# Altium PCB PCB-MB202-00.PcbDoc (part 6 of 7)
Units mm, origin at the board's own origin, x right, y up, seen from the top; angles counter-clockwise.
Board outline 300.6 x 146 mm, 2 copper layers (Top Layer, Bottom Layer); 493 components, 371 nets, 1609 pads, 6249 vias.
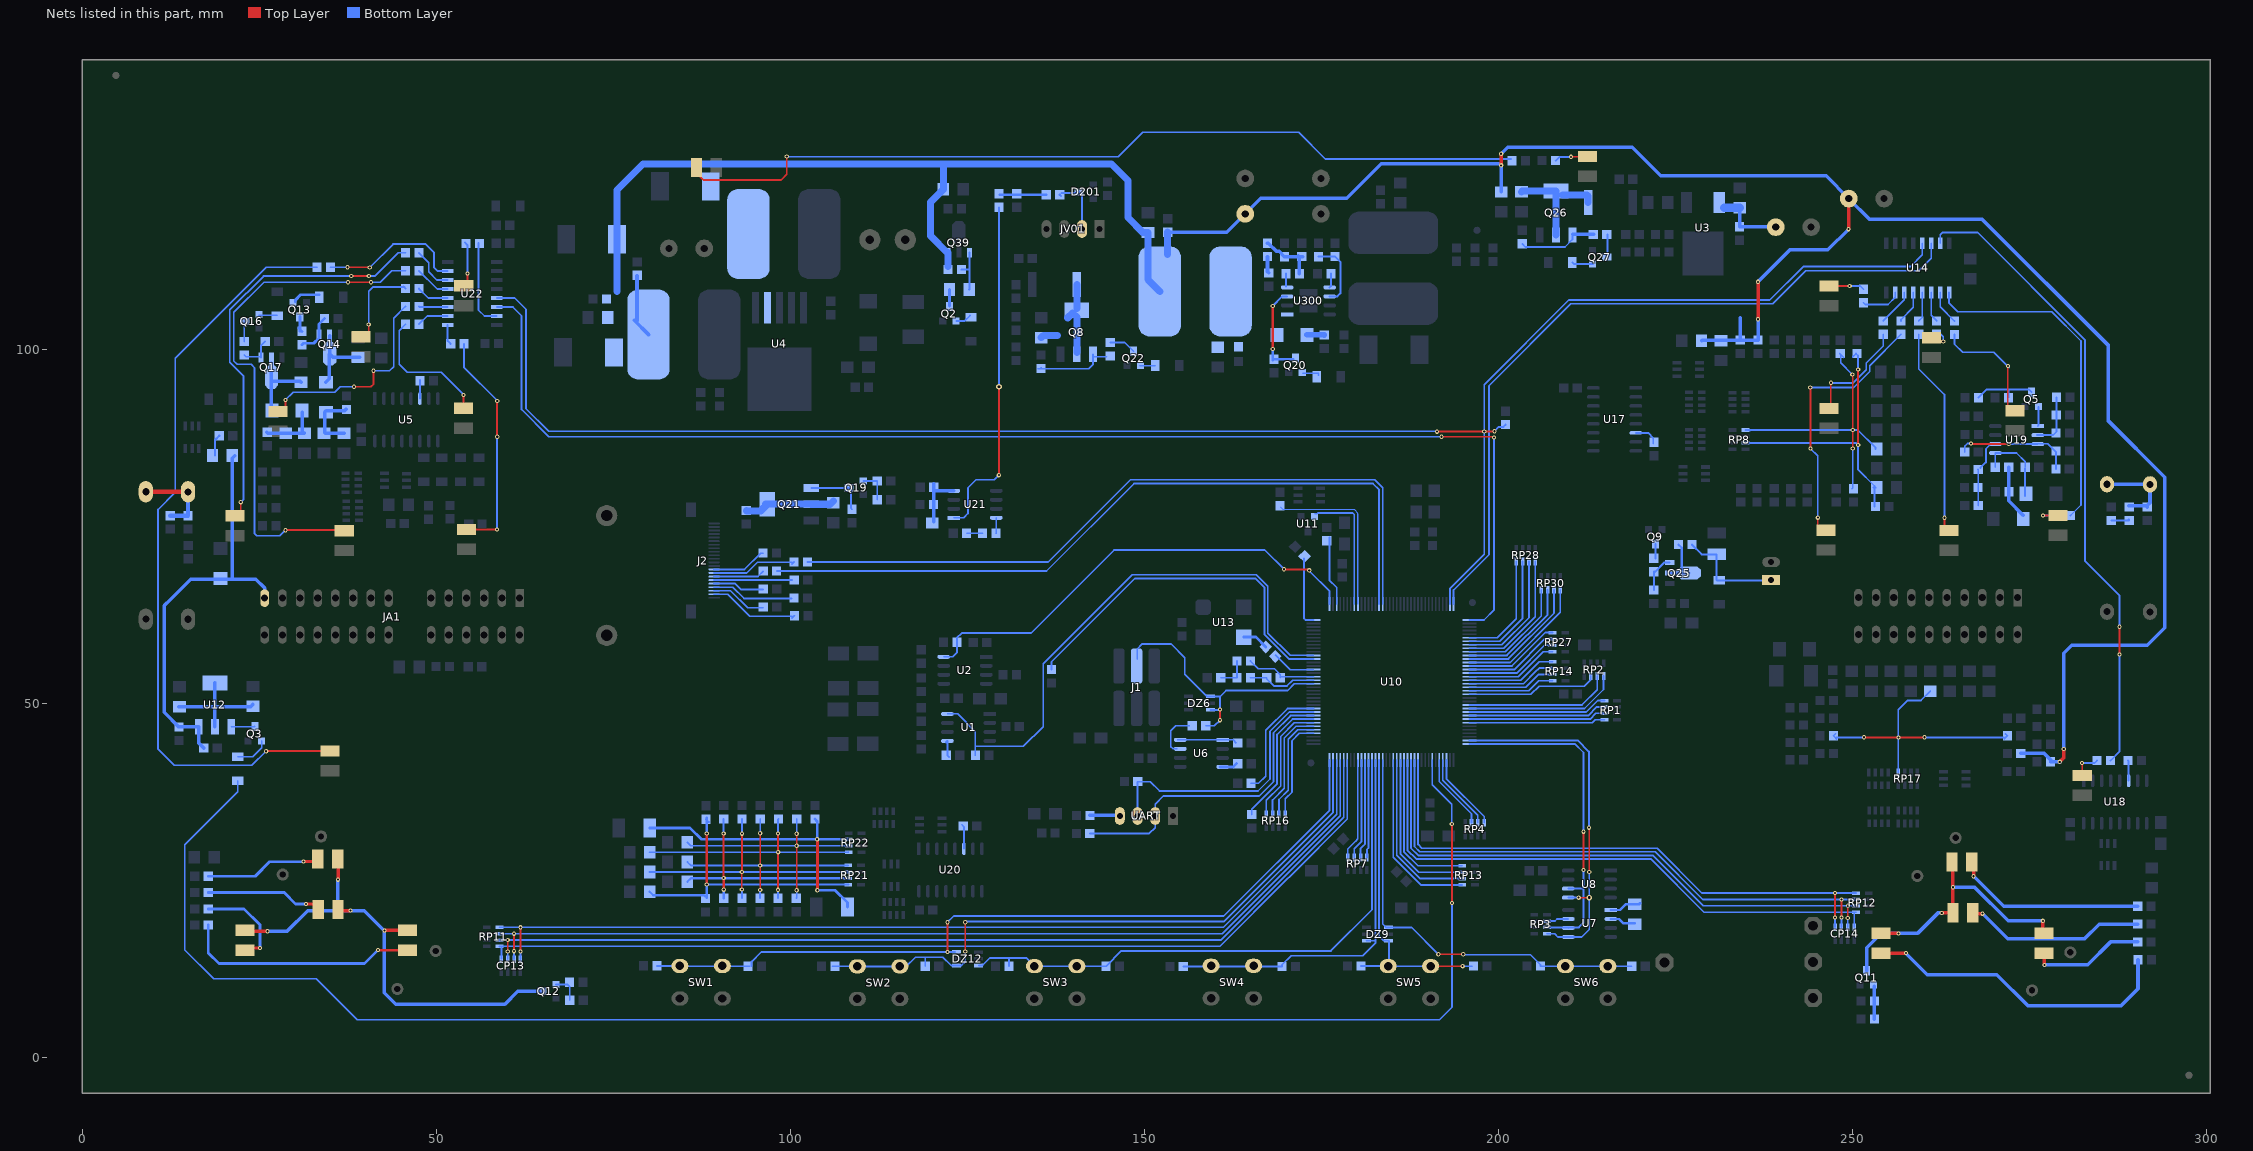
[diagram p6: the nets of this part, all layers, seen from the top]

## Via types
v1: diameter 0.6, hole 0.3, Top Layer to Bottom Layer, 5795 vias
v2: diameter 0.8, hole 0.4, Top Layer to Bottom Layer, 342 vias
v3: diameter 0.6, hole 0.4, Top Layer to Bottom Layer, 92 vias
v4: diameter 0.6, hole 0.3, Top Layer to Bottom Layer, tented both sides, 20 vias

## Nets (pads, with @x,y where several pads share a name; then routed paths per layer and width w, separated by ;. In a path a pad name is that pad's centre, name@x,y a point inside that pad or via, vN(x,y) a via of type N, cw(c..) or ccw(c..) an arc to the next point about the centre after c; other vN are vias at no path point) (continued)
NetC47_1: C47.1 R126.1 R207.2 RP17.1 | length 40.2
  Top Layer w0.25: v1@251.651,45.263 v1(256.528,45.263) v1@260.211,45.263
  Bottom Layer w0.25: C47.1@247.638,45.771 C47.1@247.358,45.491 247.739,45.11 247.714,45.085 C47.1@247.79,45.009 ; C47.1@247.79,45.263 v1@251.651,45.263 ; RP17.1@256.503,40.308 256.503,49.15 257.84,50.487 259.711,50.487 R207.2@261.023,51.8 ; v1@260.236,45.263 R126.1@271.463,45.263 ; R126.1@271.463,45.034 R126.1@271.92,45.491 R126.1@271.666,45.745
  other v1: 251.651,45.288 260.211,45.288
NetC48_1: C48.1 R54.1 U10.56 | length 10
  Bottom Layer w0.25: R54.1@165.007,56.053 166.117,54.943 168.407,54.943 169.217,54.133 C48.1@169.217,53.693 ; C48.1@169.367,53.843 U10.56@173.937,53.843
NetC48_2: C48.2 C52.1 U10.55 | length 9.8
  Bottom Layer w0.25: C52.1@165.017,53.693 C48.2@167.317,53.693 167.317,53.51 168.298,52.529 170.183,52.529 170.997,53.343 U10.55@173.937,53.343
NetC49_2: C49.2 U300.5 | length 2
  Bottom Layer w0.3: U300.5@176.2,108.817 176.381,108.998 C49.2@176.381,110.754
NetC51_1: C51.1 R194.2 R195.1 R196.1 | length 8.2
  Bottom Layer w0.5: R196.1@167.424,115.062 167.532,115.062 168.687,113.907 169.062,113.907 C51.1@169.812,113.157 ; C51.1@170.027,113.157 R194.2@172.403,113.157 ; R194.2@171.775,113.294 171.931,113.138 R195.1@171.931,110.754
NetC52_2: C52.2 C98.1 R54.2 | length 4.7
  Bottom Layer w0.25: C98.1@160.817,53.693 C52.2@163.117,53.693 163.107,53.703 R54.2@163.107,56.053
NetC58_1: C58.1 R63.2 R168.1 RP21.8 | length 34.1
  Top Layer w0.25: v1(95.767,23.695) v1(95.767,27.174) v1(95.767,31.721)
  Bottom Layer w0.25: R63.2@85.49,27.661 85.973,27.178 RP21.8@108.22,27.178 ; R168.1@95.743,22.536 95.746,22.539 95.746,23.673 v1(95.767,23.695) ; v1(95.767,31.721) C58.1@95.767,33.731
NetC59_1: C59.1 R61.2 R72.1 RP21.7 | length 41.8
  Top Layer w0.25: v1@93.18,23.8 v1(93.18,26.27) 93.19,26.279 v1(93.19,31.664)
  Bottom Layer w0.25: R61.2@80.156,26.264 105.677,26.264 ; v1(93.185,23.774) R72.1@93.185,22.536 v1@93.185,23.922 ; v1(93.19,31.664) C59.1@93.19,33.731 ; 106.871,26.264 105.677,26.264 ; RP21.7@108.22,26.278 108.206,26.264 105.677,26.264
NetC60_1: C60.1 R60.2 R77.1 RP21.6 | length 34.1
  Top Layer w0.3: v1(90.615,31.674) v1(90.615,25.4) 90.627,25.388 v1(90.627,23.761)
  Bottom Layer w0.3: R60.2@85.49,24.867 86.001,25.378 RP21.6@108.22,25.378 ; C60.1@90.612,33.731 90.612,31.676 v1(90.615,31.674) ; R77.1@90.627,22.536 v1(90.627,23.761)
NetC61_1: C61.1 R59.2 R82.1 RP21.5 | length 40
  Top Layer w0.3: v1(88.227,24.478) v1(88.227,31.674)
  Bottom Layer w0.3: R59.2@80.156,23.47 80.664,22.962 87.846,22.962 R82.1@88.024,22.784 ; C61.1@88.126,33.706 C61.1@88.532,33.299 ; R82.1@88.227,22.581 v1(88.227,24.478) RP21.5@108.22,24.478 ; v1(88.227,31.674) C61.1@88.227,33.909
NetC63_1: C63.1 R68.2 R108.1 RP22.3 | length 44.5
  Top Layer w0.4: v1(103.823,30.875) 103.848,30.85 v1(103.848,23.673)
  Bottom Layer w0.4: R68.2@80.181,32.487 85.865,32.487 87.476,30.875 v1(103.823,30.875) ; C63.1@103.5,33.731 103.823,33.408 v1(103.823,30.875) ; v1(103.848,23.673) 106.337,23.673 108.09,21.92 R108.1@108.09,21.311 ; RP22.3@108.22,30.875 v1(103.823,30.875)
NetC64_1: C64.1 R51.1 R65.2 RP22.2 | length 34.2
  Top Layer w0.25: v1(100.922,23.678) v1(100.922,29.967) v1(100.922,31.653)
  Bottom Layer w0.25: R65.2@85.49,30.455 85.969,29.975 RP22.2@108.22,29.975 ; R51.1@100.859,22.536 100.922,22.599 v1(100.922,23.678) ; v1(100.922,31.653) C64.1@100.922,33.731
NetC65_1: C65.1 R52.1 R64.2 RP22.1 | length 39.3
  Top Layer w0.25: v1(98.301,23.734) v1(98.301,31.689)
  Bottom Layer w0.25: R64.2@80.156,29.058 v1(98.311,29.058) 108.203,29.058 RP22.1@108.22,29.075 ; R52.1@98.301,22.536 v1(98.301,23.734) ; v1(98.301,31.689) 98.301,33.687 C65.1@98.345,33.731
NetC68_1: C68.1 R80.1 R83.1 R85.2 | length 11.9
  Top Layer w0.6: R80.1@9.005,79.959 R85.2@14.965,79.959
  Bottom Layer w0.6: R80.1@9.005,79.959 R80.1@9.013,79.951 ; C68.1@12.459,76.581 R83.1@14.974,76.581 R85.2@14.974,79.951
NetC73_2: C73.2 D4.2 R8.1 R19.1 | length 8.9
  Bottom Layer w0.5: R8.1@36.995,88.214 34.354,88.214 34.252,88.316 34.252,91.212 34.455,91.415 37.092,91.415 C73.2@37.275,91.597
NetC74_1: C74.1 D17.2 R20.1 R30.1 | length 8.5
  Bottom Layer w0.5: C74.1@26.073,88.341 26.2,88.214 R30.1@28.766,88.214 R20.1@31.407,88.214 31.103,88.519 D17.2@31.103,91.212
NetC85_1: C85.1 R109.1 R111.2 R127.1 | length 12.7
  Bottom Layer w0.5: R111.2@285.636,81.373 R111.2@285.992,81.017 286.008,81.001 R109.1@292.062,81.001 292.062,78.41 291.681,78.029 C85.1@291.681,77.8 ; R127.1@289.04,77.953 291.57,77.953 291.605,77.953 C85.1@291.732,78.08
NetC89_1: C89.1 R98.2 R100.1 U19.2 | length 7.9
  Bottom Layer w0.25: U19.2@276.119,87.955 276.099,87.975 278.399,87.975 278.859,88.435 R98.2@278.859,93.315
NetC90_1: C90.1 R99.1 R103.1 U19.6 | length 9.8
  Bottom Layer w0.25: R99.1@267.729,83.145 267.729,83.125 267.799,83.055 R103.1@267.799,77.995 ; R99.1@268.109,83.325 268.879,84.095 268.879,85.995 269.579,86.695 U19.6@270.209,86.695
NetC91_1: C91.1 R94.1 R190.2 RP8.1 | length 42.4
  Top Layer w0.25: v1(250.025,96.52) 250.076,96.469 v1(250.076,88.678) v1(250.076,86.055)
  Bottom Layer w0.25: RP8.1@235.415,88.678 236.319,88.678 ; 235.522,88.592 235.532,88.602 ; 236.309,88.668 234.925,88.668 RP8.1@234.915,88.678 v1(250.076,88.678) 250.781,88.678 253.306,86.153 R190.2@253.306,85.989 ; R94.1@248.257,99.471 R94.1@248.394,99.334 ; R94.1@248.806,98.922 R94.1@248.394,99.334 ; C91.1@249.974,80.391 250.076,80.493 v1(250.076,86.055) ; v1(250.025,96.52) 248.394,98.151 R94.1@248.394,99.334
NetC92_1: C92.1 R112.1 R198.2 RP8.3 | length 39.9
  Top Layer w0.25: v1(250.838,86.563) v1(250.838,97.231)
  Bottom Layer w0.25: RP8.3@234.915,86.878 RP8.3@235.005,86.968 ; 235.499,86.843 249.746,86.843 ; R112.1@250.076,99.004 250.543,99.471 250.838,99.176 v1@250.838,97.155 ; 250.092,86.843 249.746,86.843 ; R198.2@252.995,80.546 253.306,80.546 253.149,80.389 C92.1@253.149,77.876 ; R198.2@253.153,80.393 253.153,80.768 250.838,83.083 v1(250.838,86.563) 250.559,86.843 249.746,86.843
NetC93_2: C93.2 R101.2 R106.2 U19.3 | length 17.1
  Top Layer w0.25: v4@266.833,86.697 267.348,86.697 ; 267.138,86.697 267.348,86.697 ; v4(272.112,86.697) 267.348,86.697
  Bottom Layer w0.25: R101.2@265.889,85.615 R101.2@265.889,85.816 ; R101.2@265.905,85.573 265.905,86.39 266.281,86.766 v4(266.764,86.766) ; v4(272.112,86.697) 276.207,86.697 U19.3@276.209,86.695 ; U19.3@276.209,86.745 277.619,86.745 278.769,85.595 R106.2@278.769,83.185
NetC100_1: C100.1 CP19.1 R178.1 U3.3 | length 10.3
  Bottom Layer w0.5: R178.1@234.125,120.066 234.099,120.04 C100.1@234.099,117.373 238.214,117.373 CP19.1@239.103,118.262
  Bottom Layer w1.2: U3.3@231.943,120.066 R178.1@234.125,120.066
NetC102_2: C102.2 C103.2 D22.1 L4.2 U300.1
NetC201_1: C201.1 R210.2 R211.1 | length 8.9
  Bottom Layer w0.3: C201.1@129.578,121.895 130.315,121.895 R210.2@136.187,121.895 133.871,121.895
NetC205_1: C205.1 R233.1 | length 2.3
  Bottom Layer w0.25: C205.1@124.93,74.092 R233.1@127.191,74.092
NetC208_1: C208.1 CP200.1 L205.2 U21.4 | length 8.2
  Bottom Layer w0.5: CP200.1@120.313,75.717 L205.2@120.313,80.086 ; L205.2@120.313,81.077 L205.2@120.313,80.086 ; U21.4@123.127,80.086 L205.2@120.313,80.086
NetCP8_1: CP8.1 D19.2 J3.1 R114.1 | length 15.3
  Bottom Layer w0.3: R114.1@227.368,72.492 228.74,71.12 CP8.1@230.848,71.12 D19.2@230.848,67.488 ; D19.2@230.924,67.412 238.443,67.412 J3.1@238.544,67.513
NetCP13_5: CP13.5 RP11.4 U10.31 | length 137.2
  Bottom Layer w0.25: RP11.4@58.966,15.74 58.99,15.764 160.709,15.764 170.155,25.209 170.155,25.213 170.609,25.667 170.612,25.667 178.687,33.742 U10.31@178.687,42.093 ; CP13.5@59.22,14.027 RP11.4@59.22,15.723
NetCP13_6: CP13.6 RP11.3 U10.32 | length 137.2
  Top Layer w0.25: v1(60.109,16.64) 60.113,16.637 v1(60.113,15.033)
  Bottom Layer w0.25: RP11.3@58.966,16.64 160.845,16.64 178.187,33.982 U10.32@178.187,42.093 ; CP13.6@60.113,13.941 v1(60.113,15.033)
NetCP13_7: CP13.7 RP11.2 U10.33 | length 137.1
  Top Layer w0.25: v1(60.998,17.54) 61.013,17.526 v1(61.013,15.073)
  Bottom Layer w0.25: RP11.2@58.966,17.54 161.038,17.54 177.687,34.189 U10.33@177.687,42.093 ; CP13.7@61.013,13.941 v1(61.013,15.073)
NetCP13_8: CP13.8 RP11.1 U10.34 | length 137.5
  Top Layer w0.25: v1(61.913,15.037) v1(61.913,18.44)
  Bottom Layer w0.25: RP11.1@58.966,18.44 126.632,18.44 ; CP13.8@61.913,13.941 v1(61.913,15.037) ; 127.14,18.44 126.632,18.44 ; U10.34@177.187,42.093 177.187,34.426 161.201,18.44 126.632,18.44
NetCP14_5: CP14.5 RP12.4 U10.11 | length 81.5
  Top Layer w0.25: v1(247.579,19.82) 247.579,23.266 v1(247.587,23.274)
  Bottom Layer w0.25: U10.11@188.687,42.093 188.687,30.144 189.232,29.599 222.458,29.599 228.783,23.274 v1(247.587,23.274) RP12.4@250.533,23.274 ; CP14.5@247.579,18.437 v1(247.579,19.82)
NetCP14_6: CP14.6 RP12.3 U10.12 | length 81.6
  Top Layer w0.25: v1(248.476,22.374) 248.479,22.371 v1(248.479,19.841)
  Bottom Layer w0.25: U10.12@188.187,42.093 188.187,29.86 188.948,29.099 222.171,29.099 228.896,22.374 v1(248.476,22.374) RP12.3@250.533,22.374 ; CP14.6@248.479,18.437 v1(248.479,19.841)
NetCP14_7: CP14.7 RP12.2 U10.13 | length 82
  Top Layer w0.25: v1(249.379,19.761) 249.379,21.463 v1(249.39,21.474)
  Bottom Layer w0.25: U10.13@187.687,42.093 187.687,29.623 188.711,28.599 221.858,28.599 228.983,21.474 v1(249.39,21.474) RP12.2@250.533,21.474 ; CP14.7@249.379,18.437 249.379,19.025 v1(249.379,19.761) v1@249.379,20.004
NetCP14_8: CP14.8 RP12.1 U10.14 | length 81.9
  Bottom Layer w0.25: U10.14@187.187,42.093 187.187,29.336 188.424,28.099 221.545,28.099 229.07,20.574 RP12.1@250.533,20.574 ; CP14.8@250.279,18.437 RP12.1@250.279,20.571
NetD3_2: D3.2 Q20.1 | length 2.2
  Bottom Layer w0.25: Q20.1@172.428,96.698 D3.2@174.638,96.698 ; D3.2@174.638,96.444 D3.2@174.663,96.418
NetD4_1: D4.1 Q14.2 R86.2 | length 11.2
  Bottom Layer w0.5: D4.1@34.43,95.428 34.913,95.91 34.913,99.382 Q14.2@34.965,99.435 ; Q14.2@34.965,101.985 Q14.2@34.965,99.435 ; R86.2@39.18,98.927 35.472,98.927 Q14.2@34.965,99.435
NetD12_2: D12.2 Q2.1 | length 2.3
  Bottom Layer w0.25: Q2.1@123.457,104.089 124.651,104.089 D12.2@125.413,104.851
NetD13_1: D13.1 R129.2 R137.2 | length 7.6
  Bottom Layer w0.5: R129.2@272.118,83.414 272.118,78.669 D13.1@274.13,76.657
NetD14_2: D14.2 R129.1 R150.2 U19.5 | length 11.5
  Bottom Layer w0.25: R129.1@270.218,83.414 270.218,85.416 U19.5@270.209,85.425 273.211,85.425 274.439,84.196 R150.2@274.439,83.405 ; R150.2@274.419,83.265 274.419,79.345 D14.2@274.449,79.315
NetD15_2: D15.2 Q27.1 | length 3
  Bottom Layer w0.25: D15.2@210.477,112.344 210.681,112.141 Q27.1@213.424,112.141
NetD16_2: D16.2 Q3.1 | length 4.9
  Bottom Layer w0.25: D16.2@21.984,42.52 24.092,42.52 25.362,43.79 Q3.1@25.362,44.78
NetD17_1: D17.1 Q17.2 R132.2 | length 11.1
  Bottom Layer w0.5: Q17.2@26.727,98.081 26.727,91.497 D17.1@26.81,91.415 ; Q17.2@26.81,95.448 26.727,95.531 30.816,95.531 R132.2@30.925,95.422
NetD21_2: D21.2 Q16.1 | length 2.6
  Bottom Layer w0.25: Q16.1@24.981,104.877 D21.2@27.547,104.877
NetD22_2: D22.2 R162.2 | length 2.4
  Bottom Layer w0.8: D22.2@173.012,102.108 175.42,102.108 R162.2@175.425,102.103
NetD26_2: D26.2 Q22.1 | length 2.1
  Bottom Layer w0.25: Q22.1@149.39,97.765 D26.2@151.524,97.765
NetD33_2: D33.2 Q13.1 | length 3.9
  Bottom Layer w0.4: Q13.1@30.112,106.782 30.112,107.01 30.874,107.772 D33.2@33.465,107.772
NetD201_3: D201.3 JV01.2 R210.1 | length 8.6
  Bottom Layer w0.3: R210.1@138.087,121.895 R210.1@138.24,121.742 ; R210.1@138.316,122.149 D201.3@141.262,122.149 ; D201.3@140.78,122.301 141.224,121.857 141.224,121.705 JV01.2@141.224,117.072
NetDL1_2: DL1.2 RL30.2 | length 4.1
  Top Layer w0.25: v1(282.461,41.631) 282.486,41.656 DL1.2@282.486,39.878
  Bottom Layer w0.25: v1(282.461,41.631) 284.219,41.631 RL30.2@284.574,41.986
NetDL2_2: DL2.2 RL23.2 | length 4.1
  Top Layer w0.25: v1(276.949,76.606) DL2.2@279.057,76.606
  Bottom Layer w0.25: v1(276.949,76.606) RL23.2@278.935,76.606
NetDL3_2: DL3.2 RL24.2 | length 16.3
  Top Layer w0.25: DL3.2@271.971,91.491 271.971,94.64 271.971,97.371
  Bottom Layer w0.25: RL24.2@264.452,102.164 264.452,100.813 265.621,99.644 270.015,99.644 v1@272.136,97.523
  other v1: 271.996,97.714
NetDL4_2: DL4.2 RL25.2 | length 3.7
  Top Layer w0.25: DL4.2@261.074,101.727 261.608,101.194 v1(262.852,101.194)
  Bottom Layer w0.25: RL25.2@261.927,102.189 262.492,102.189 262.852,101.829 v1(262.852,101.194)
NetDL5_2: DL5.2 RL26.2 | length 29.5
  Top Layer w0.25: v1@263.055,76.276 263.055,75.082 DL5.2@263.665,74.473
  Bottom Layer w0.25: RL26.2@259.409,102.189 259.409,97.297 263.03,93.675 v1(263.03,76.276)
NetDL6_2: DL6.2 RL27.2 | length 37
  Top Layer w0.25: v1(244.107,86.055) v1@244.107,94.666 ; DL6.2@245.148,74.955 v1(245.148,76.302) ; DL6.2@246.012,74.828 DL6.2@246.215,74.473
  Bottom Layer w0.25: v1(244.082,94.677) 250.214,94.677 252.481,96.944 252.481,97.78 RL27.2@256.89,102.189 ; v1(244.107,86.055) 245.148,85.014 v1(245.148,76.302)
NetDL7_2: DL7.2 RL28.2 | length 15.4
  Top Layer w0.25: DL7.2@246.672,91.796 246.977,92.1 v1@246.977,95.326
  Bottom Layer w0.25: v1(247.003,95.352) 247.028,95.326 250.127,95.326 251.981,97.18 251.981,98.146 254.372,100.537 RL28.2@254.372,102.189
NetDL8_1: DL8.1 RL1.2 | length 44.5
  Top Layer w0.5: DL8.1@254.069,14.798 v1(257.584,14.798)
  Bottom Layer w0.5: v1(257.584,14.798) 260.622,11.76 270.408,11.76 274.777,7.391 287.998,7.391 290.365,9.759 RL1.2@290.365,13.868
NetDL8_2: DL8.2 DL9.2 DL10.2 DL11.2 Q11.3 | length 43.4
  Top Layer w0.5: DL8.2@254.069,17.598 254.09,17.577 v1(256.528,17.577) ; v1(262.649,20.472) 264.203,20.472 DL11.2@264.229,20.498 v1(264.229,24.105) 264.229,27.528 DL10.2@264.101,27.656 ; DL9.2@276.924,17.783 v1(276.924,19.355)
  Bottom Layer w0.5: Q11.3@252.032,12.319 252.032,15.57 254.038,17.577 v1(256.528,17.577) 259.22,17.577 262.116,20.472 v1(262.649,20.472) ; v1(264.229,24.105) 267.272,24.105 272.022,19.355 v1(276.924,19.355)
NetDL9_1: DL9.1 RL2.2 | length 16.2
  Top Layer w0.5: DL9.1@277.109,14.798 277.109,13.176 v1(277.152,13.132)
  Bottom Layer w0.5: v1(277.152,13.132) 283.248,13.132 286.489,16.372 RL2.2@290.318,16.372
NetDL10_1: DL10.1 RL3.2 | length 27
  Top Layer w0.5: DL10.1@266.901,27.656 267.145,27.412 v1(267.145,25.654)
  Bottom Layer w0.5: v1(267.145,25.654) 267.145,25.643 271.383,21.405 RL3.2@290.318,21.405
NetDL11_1: DL11.1 RL4.2 | length 25.5
  Top Layer w0.5: DL11.1@267.156,20.371 v1(268.415,20.371)
  Bottom Layer w0.5: v1(268.415,20.371) 271.971,16.815 282.817,16.815 284.89,18.889 RL4.2@290.318,18.889
NetDL12_1: DL12.1 RL5.2 | length 13.8
  Top Layer w0.4: DL12.1@23.002,15.205 23.317,15.519 v1(25.134,15.519)
  Bottom Layer w0.4: RL5.2@17.819,21.042 22.887,21.042 25.134,18.796 v1(25.134,15.519)
NetDL12_2: DL12.2 DL13.2 DL14.2 DL15.2 Q12.3 | length 66.9
  Top Layer w0.5: DL12.2@23.002,18.005 23.126,17.882 v1(26.2,17.882) ; DL14.2@36.092,28.115 36.157,28.05 v1@36.157,25.197 ; DL15.2@36.157,20.955 36.31,20.803 v1(37.91,20.803) ; v1(42.71,17.983) 42.732,18.005 DL13.2@45.972,18.005
  Bottom Layer w0.5: v1(26.2,17.882) 28.944,17.882 31.865,20.803 36.157,20.803 ; v1@36.132,25.171 36.132,20.828 36.157,20.803 ; Q12.3@64.92,9.408 61.542,9.408 59.728,7.595 44.311,7.595 42.685,9.22 42.685,17.958 39.84,20.803 v1(37.91,20.803) 36.157,20.803
  other v1: 36.157,25.171
NetDL13_1: DL13.1 RL6.2 | length 33.8
  Top Layer w0.4: v1(41.787,15.224) 41.787,15.205 DL13.1@45.972,15.205
  Bottom Layer w0.4: RL6.2@17.819,18.752 17.819,14.833 19.317,13.335 37.986,13.335 ; 38.342,13.335 37.986,13.335 ; v1(41.787,15.224) 39.898,13.335 37.986,13.335
NetDL14_1: DL14.1 RL7.2 | length 17.1
  Top Layer w0.4: v1(31.28,27.737) 32.914,27.737 DL14.1@33.292,28.115 DL14.1@33.292,28.691
  Bottom Layer w0.4: RL7.2@17.819,25.662 24.456,25.662 26.505,27.711 31.255,27.711 v1(31.28,27.737)
NetDL15_1: DL15.1 RL8.2 | length 16.5
  Top Layer w0.4: v1(31.636,21.742) 32.57,21.742 DL15.1@33.357,20.955
  Bottom Layer w0.4: RL8.2@17.819,23.342 28.563,23.342 30.163,21.742 v1(31.636,21.742)
NetDL16_2: DL16.2 RL29.2 | length 5.1
  Top Layer w0.25: DL16.2@246.698,109.017 v1(249.644,109.017)
  Bottom Layer w0.25: v1(249.644,109.017) 251.138,109.017 RL29.2@251.6,108.555
NetDL17_2: DL17.2 RL38.2 | length 6.4
  Top Layer w0.3: DL17.2@53.912,109.042 54.42,109.55 v1(54.42,110.769)
  Bottom Layer w0.3: RL38.2@54.095,115.138 54.42,114.813 v1(54.42,110.769)
NetDL18_2: DL18.2 RL37.2 | length 32.4
  Top Layer w0.25: DL18.2@54.318,74.625 v1(58.611,74.625) ; v1@58.611,92.786 58.611,87.757 v1(58.636,87.732)
  Bottom Layer w0.25: RL37.2@53.958,100.863 53.958,97.49 v1@58.611,92.837 ; v1(58.611,74.625) 58.611,87.706 v1(58.636,87.732)
  other v1: 58.636,92.786
NetDL19_2: DL19.2 RL36.2 | length 18.8
  Top Layer w0.25: DL19.2@53.886,91.745 v1(53.886,93.624)
  Bottom Layer w0.25: RL36.2@45.678,103.603 44.793,102.719 44.793,97.942 45.911,96.825 50.711,96.825 53.886,93.65 v1(53.886,93.624)
NetDL20_2: DL20.2 RL35.2 | length 29.9
  Top Layer w0.25: DL20.2@27.648,91.288 28.02,91.288 28.715,91.982 v1(28.715,92.913) ; v1(38.418,94.793) 38.432,94.778 40.791,94.778 41.161,95.148 v1(41.161,97.053) v1@41.161,97.079
  Bottom Layer w0.25: v1(28.715,92.913) 29.807,94.005 35.675,94.005 36.462,94.793 v1(38.418,94.793) ; v1(41.161,97.053) 43.422,97.053 44.006,97.638 44.006,104.457 RL35.2@45.678,106.128
NetDL21_2: DL21.2 RL34.2 | length 12.9
  Top Layer w0.25: DL21.2@39.383,101.829 39.688,102.133 40.12,102.133 40.475,102.489 v1(40.475,103.581)
  Bottom Layer w0.25: v1(40.475,103.581) 40.475,108.255 41.11,108.89 RL34.2@45.53,108.89 ; RL34.2@45.391,108.941 RL34.2@45.678,108.654
NetDL22_2: DL22.2 RL33.2 | length 73.8
  Top Layer w0.25: v1@28.74,74.549 DL22.2@37.021,74.549 ; v1(37.554,109.55) v1(40.805,109.55)
  Bottom Layer w0.25: 24.93,73.736 25.261,73.736 ; v1@28.74,74.549 v1(28.715,74.524) 27.928,73.736 25.261,73.736 ; v1(37.554,109.55) 25.692,109.55 21.425,105.283 21.425,98.425 21.895,97.955 23.88,97.955 24.359,97.476 24.359,74.032 24.461,73.93 24.461,73.926 24.651,73.736 25.261,73.736 ; v1(40.805,109.55) 42.126,109.55 43.755,111.179 RL33.2@45.678,111.179
NetDL23_2: DL23.2 RL32.2 | length 58.9
  Top Layer w0.25: DL23.2@21.705,76.556 22.416,76.556 v1(22.416,78.486) ; v1(38.011,110.414) v1(40.501,110.414)
  Bottom Layer w0.25: v1(22.416,78.486) 22.809,78.879 22.809,96.279 20.866,98.222 20.866,105.639 25.642,110.414 v1(38.011,110.414) ; v1(40.501,110.414) 41.339,110.414 44.63,113.705 RL32.2@45.678,113.705
NetDL24_2: DL24.2 RL31.2 | length 107.7
  Top Layer w0.25: v1(25.997,43.307) 26.023,43.332 DL24.2@35.04,43.332
  Bottom Layer w0.25: v1(25.997,43.307) 25.972,43.307 23.978,41.313 13.005,41.313 10.732,43.586 10.732,77.445 13.17,79.883 13.17,98.831 25.997,111.658 RL31.2@33.19,111.658
NetDL25_2: DL25.2 RL68.2 | length 122.2
  Top Layer w0.25: DL25.2@86.779,125.73 86.779,124.993 87.795,123.977 98.71,123.977 99.53,124.797 v1(99.53,127.305) v1@99.53,127.33
  Bottom Layer w0.25: v1@99.479,127.33 99.53,127.279 146.368,127.279 149.822,130.734 171.819,130.734 175.603,126.949 RL68.2@201.841,126.949
NetDL26_2: DL26.2 RL9.2 | length 4.8
  Top Layer w0.25: v1(210.29,127.254) 212.586,127.254 DL26.2@212.636,127.305
  Bottom Layer w0.25: RL9.2@208.11,126.721 208.613,127.224 210.32,127.224 v1(210.29,127.254)
NetDW1_2: DW1.2 L2.1 U4.2
NetJ2_2: J2.2 R138.1 | length 12.8
  Bottom Layer w0.25: J2.2@89.264,65.483 91.172,65.483 94.298,62.357 R138.1@100.253,62.357 ; R138.1@100.253,62.078 R138.1@100.606,62.43
NetJ2_3: J2.3 R148.1 | length 8
  Bottom Layer w0.25: J2.3@89.264,65.983 91.586,65.983 94,63.57 R148.1@96.218,63.57
NetJ2_4: J2.4 R149.1 | length 11.6
  Bottom Layer w0.25: J2.4@89.264,66.483 91.899,66.483 93.485,64.897 R149.1@100.22,64.897
NetJ2_5: J2.5 R152.1 | length 7.3
  Bottom Layer w0.25: J2.5@89.264,66.983 92.237,66.983 93.081,66.139 R152.1@96.218,66.139
NetJ2_6: J2.6 R153.1 | length 11
  Bottom Layer w0.25: J2.6@89.264,67.483 R153.1@100.283,67.483
NetJ2_7: J2.7 R154.1 | length 7.2
  Bottom Layer w0.25: J2.7@89.264,67.983 95.471,67.983 R154.1@96.196,68.708
NetJ2_8: J2.8 R155.1 | length 12
  Bottom Layer w0.25: J2.8@89.264,68.483 93.871,68.483 95.39,70.002 R155.1@100.25,70.002 ; R155.1@100.25,69.723 R155.1@100.556,70.029
NetJ2_9: J2.9 R156.1 | length 7.9
  Bottom Layer w0.25: J2.9@89.264,68.983 93.558,68.983 95.852,71.278 R156.1@96.176,71.278
NetL5_1: L5.1 UART.4 | length 4.1
  Bottom Layer w0.5: L5.1@142.355,34.239 UART.4@146.488,34.239